# Allegro board PSU-Hirose-6Layers-Sep1.brd (continued)
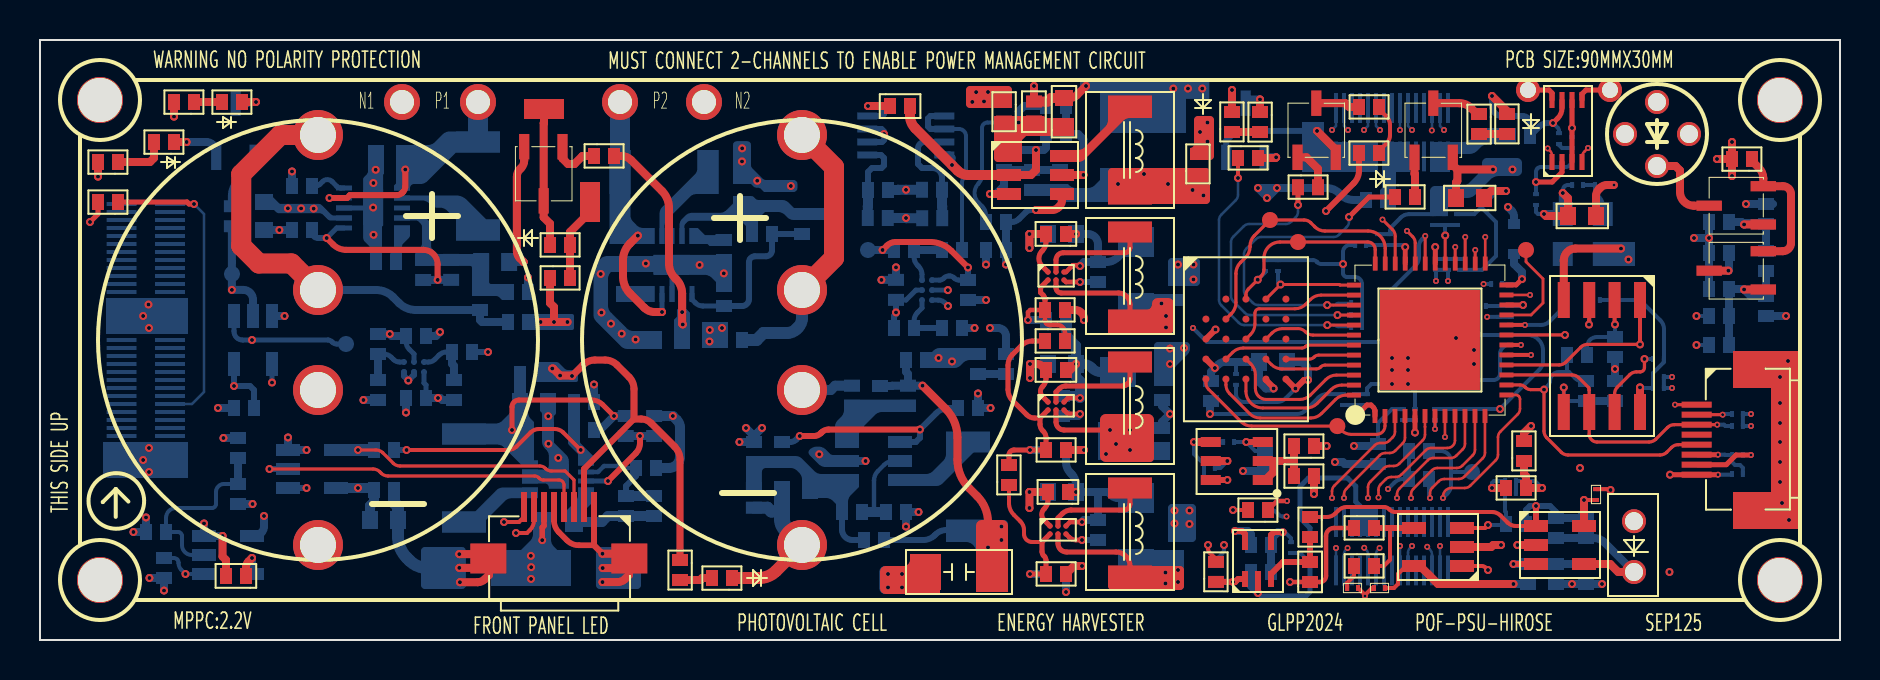
[diagram p0: board, top side]
## Nets
GND: C1.2 C2.1 C3.2 C4.2 C5.2 C6.1 C7.2 C7.4 C8.2 C8.4 C9.1 C10.1 C11.2 C12.1 C14.2 C15.2 C16.1 C17.1 C18.2 C19.2 C20.2 C21.2 C23.2 C24.2 C25.2 C26.2 C27.2 C28.2 C29.2 C31.2 C32.2 C33.2 C34.2 C35.2 C36.2 C37.2 C38.2 C40.2 C41.2 C42.1 C43.2 C44.2 C45.2 C46.1 C47.1 C48.2 C49.2 C50.2 C51.2 C52.2 C53.2 C54.1 C56.2 C57.2 C58.2 C59.2 C60.2 C61.2 C62.1 C63.1 C64.1 C65.2 C66.2 C67.2 C68.2 C69.1 C71.2 C74.2 C75.1 C76.1 C77.2 C78.2 C79.2 C80.1 D4.1(CATHODE) D7.1(CATHODE) D9.1(CATHODE) J1.7 J1.9 J1.10 J2.1 J2.5 J2.9 J2.10 J3.19 J3.21 J3.23 J3.25 J3.27 J3.29 J4.61 J4.62 J4.63 J4.64 J4.65 J4.66 J4.67 J4.68 J4.69 J4.70 J5.5 J5.7 J5.9 J5.11 PD1.2 Q1.2(EMITTER) Q2.2(EMITTER) Q3.2(EMITTER) Q6.2(EMITTER) Q7.2(EMITTER) R8.2 R22.1 R31.1 R32.1 R34.2 R36.2 R37.1 R38.1 R39.2 R48.2 R50.1 R57.1 R61.2 R62.2 R66.2 R71.1 R89.1 R91.1 R92.1 R93.1 R98.1 R101.2 R103.1 R109.1 R112.1 R114.1 R117.1 R120.1 R124.2 R126.1 R127.1 R128.1 TP8.1(TP) TP11.1(TP) U1.2 U2.2 U3.A3 U4.C1 U4.E5(VSS#E5) U5.49 U6.4 U7.A3 U8.4 U9.A3 U10.2(V-) U11.2(V-) U12.2 U13.4(V-) U14.3 U14.11 U15.3 U15.11 U16.A2 U16.B2 U17.3 U18.A2 U18.B2 U19.2 U20.3 U21.2 U21.3 U21.9 U22.3 Y1.2
P1V2: L9.1 R123.2
P1V8: L7.1 R100.2
P1V8_RX: C11.1 C12.2 C64.2 R19.2 R122.2 R129.2 U8.5(VOUT) U10.5 U11.5 U12.5
P1V8ADJ_PRE: C19.1 C20.1 C22.2 L1.2 R10.1 R33.1
P1V20: C4.1 FB2.2 FB5.2 L9.2 R43.2
P1V80: C5.1 C18.1 C25.1 C51.1 C53.1 FB1.2 FB3.1 FB4.2 J1.8 L7.2 L8.2 R21.1 R35.2 R54.2 R55.2 R64.2 R65.1 R69.1 R73.1 R81.2 R94.2 R95.1 R97.2 R110.1 U1.3 U1.6 U6.8 Y1.4(VCC)
P2V8: C17.2 D2.2 D3.2 D5.2 D8.2 R59.2 R131.1 U1.7(VCCB)
P2V9ADJ: LD1.1 R10.2 R17.1 R45.1 R52.1 R58.1
P5V0: C6.2 C9.2 C10.2 C29.1 C50.1 C68.1 C77.1 C78.1 J2.6 J4.25 J4.26 J4.27 J4.28 J4.29 J4.30 J4.31 J4.32 J4.33 J4.34 L12.2 R1.2 R3.1 R9.2 R15.2 R18.2 R29.2 R102.2 R107.1 U3.A1 U7.A1 U9.A1
VCCIO_0: C31.1 C32.1 FB1.1 U5.33
VCCIO_2: C56.1 C57.1 FB4.1 U5.1
1ST_EN: J2.3 R104.2 U20.4(Y)
BIO-1: J5.28 R105.2 TP15.1(TP) U5.13
BIO-2: J5.1
BIO-3: J5.26 R111.2 U5.12
BIO-4: J5.18 U5.10
BIO-5: J5.20 U5.11
BIO-6: J5.12 R28.2 U5.9
BIO-7: J5.10 R125.2 U5.6
BIO-8: J5.4 R116.1 U5.4
BIO-9: J5.2 R23.1 U5.3
CHG_FULL: R85.2 R90.1 TP14.1(TP) U17.1 U18.C2
DONE2_LED: R95.2 U5.7
DPU_PWR_EN: J4.1 J4.51 R13.1
EIO-1: J3.28 U5.32
EIO-2: J3.6 U1.4 U5.25
EIO-4: J3.14 U5.27
EIO-5: J3.30 R13.2 U5.34
EIO-6: J3.12 R70.1 U5.26
EIO-7: J3.20 U5.28
EIO-8: J3.22 R68.2 U5.31
EXT_24MHZ: U5.20 Y1.3
FF2_SCK: J1.3 R97.1 U5.15 U6.6
FF2_SS: J1.2 R94.1 U5.16 U6.1
FL2_MISO: R78.1 R80.1 U6.2
FL2_MOSI: R86.2 R87.2 U6.5
FL2_RST: R81.1 U6.7
FL2_WP: R64.1 U6.3(W\P\(IO2))
FP2_RST: C63.2 J1.6 R110.2 U5.8
FP2_SI: J1.1 R78.2 R86.1 U5.17
FP2_SO: J1.5 R80.2 R87.1 U5.14
IOB_23B: TP16.1(TP) U5.21
IOT_37A: J3.4 U1.1 U5.23
LD_PWR_EN: R67.2 U5.18
LDO22-1: C15.1 C26.1 C60.1 C67.1 C71.1 U14.2 U17.5 U20.5 U22.5
LDO22-2: C1.1 C42.2 C47.2 C48.1 R6.2 R60.2 R74.1 R76.1 R90.2 U13.8 U15.2 U16.B1 U18.B1
LED0: J2.8 R12.1 R65.2 U5.39
LED1: J2.7 R11.1 R69.2 U5.40
LED2: R7.1 R73.2 R108.2 U5.41
LOCK_EN: J2.4 U17.4(Y) U20.2
NC.A2: U4.A2
NC.A5: U4.A5
NC.B1: U4.B1
NC.B3: U4.B3
NC.B4: U4.B4
NC.B5: U4.B5
NC.C5: U4.C5
P5033: R82.2 R83.1 R130.1
P5033_PRE: C14.1 C55.2 C79.1 L11.2 R82.1 R88.1 R121.1
PSU_UART_TX: R77.1 U5.19
RAM_ADQ0: U4.D3 U5.46
RAM_ADQ1: U4.D2 U5.43
RAM_ADQ2: U4.C4 U5.42
RAM_ADQ3: U4.D4 U5.45
RAM_ADQ4: U4.D5 U5.44
RAM_ADQ5: U4.E3 U5.47
RAM_ADQ6: U4.E2 U5.48
RAM_ADQ7: TP7.1(TP) U4.E1 U5.2
RAM_CE: R55.1 TP6.1(TP) U4.A3 U5.36
RAM_CLK: TP5.1(TP) U4.B2 U5.35
RAM_DQS: U4.C3 U5.38
RAM_RST: R54.1 U4.A4 U5.37
RFU: U4.C2
RX_PWR_EN: R101.1 R108.1 U8.3
SIG_ALIVE: R40.2 TP13.1(TP) U17.2 U22.4(Y)
SPI_VCCIO1: C44.1 C45.1 FB3.2 U5.22
UV_SHDN: R49.2 R60.1 TP12.1(TP) U16.C2 U20.1
VCAP: J2.2 R14.1 R27.1 R41.2 R42.2 R72.1 R75.2 R84.2
VCAP1: C35.1 C39.1 C43.1 R56.1 R63.2 U14.9(VOUT)
VCAP2: C23.1 C24.1 C30.1 R46.1 R47.1 U15.9(VOUT)
N478267: C21.1 L6.1 TP10.1(TP) U14.4 U14.6
N478271: L6.2 U14.7
N478345: C39.2 R48.1 R56.2 U14.1
N478369: R36.1 U14.5
N478385: C36.1 U14.10
N479121: C7.1 C7.3 R63.1 R72.2
N485107: C34.1 L5.1 TP9.1(TP) U15.4 U15.6
N485115: L5.2 U15.7
N485373: C30.2 R47.2 R62.1 U15.1
N485445: R61.1 U15.5
N485483: C33.1 U15.10
N486717: C8.1 C8.3 R46.2 R75.1
N813698: C58.1 C62.2 L10.1 R84.1 R96.2 R99.2 U21.4
N813706: L10.2 U21.1
N813852: C70.1 L12.1 R115.2 U21.8(VOUT)
N813884: R96.1 R98.2 U21.7
N813992: R23.2 R91.2 R99.1 R104.1 R116.2 U21.5
N814000: C70.2 R109.2 R115.1 U21.6
N821854: R37.2 R41.1 U13.3
N821870: R51.2 U13.1 U13.2
N822032: R38.2 R42.1 U13.5
N822044: R79.2 U13.6 U13.7
N823149: C46.2 R74.2 U16.A1(VCC)
N823315: R49.1 R51.1 U16.C1
N824564: C54.2 R76.2 U18.A1(VCC)
N824724: R79.1 R85.1 U18.C1
N834143: D7.2 R27.2
N943794: C72.2 C73.1 R25.1 R119.1 U10.1
N943802: C73.2 PD1.1 R119.2 U10.4
N950397: C65.1 R19.1 R22.2 R113.2
N953867: C13.1 R24.1 U11.1
N953891: R24.2 R26.2 U11.4
N953940: C16.2 R26.1
N957540: C13.2 R25.2 U12.3
N961187: C76.2 R122.1 R126.2 U12.4
N1037075: D4.2 R9.1
N1120293: LD1.2 Q4.3
N1120309: Q5.1 R53.1 R58.2 R66.1 R70.2 R77.2
N1120313: Q5.3 R52.2
N1120345: Q4.1 R39.1 R45.2 R53.2
N1120473: Q4.2(E) Q5.2(E) R8.1
N1125946: C61.1 FB5.1 U5.5
N1126010: C37.1 C38.1 FB2.1 U5.30
N1126482: C27.1 C28.1 R43.1 U5.29
N1126654: C41.1 D8.1(K) U5.24(VPP_2V5)
N1128601: C49.1 C52.1 L8.1 U4.D1 U4.E4
N1140972: C75.2 R102.1 R114.2 U22.2
N1147788: D2.1(CATHODE) R4.2
N1147792: D5.1(CATHODE) R2.2
N1147796: D3.1(CATHODE) R5.2
N1147848: Q6.3 R4.1
N1147852: Q1.3 R2.1
N1147856: Q2.3 R5.1
N1147930: Q6.1 R7.2
N1147938: Q1.1 R11.2
N1147946: Q2.1 R12.2
N1161020: R105.1 R111.1 R124.1 U22.1
N1296793: C80.2 R127.2 R129.1 U10.3
N1325635: C72.1 R113.1 U11.3
N1346126: Q7.1 R40.1
N1347937: D1.1(CATHODE) Q7.3
N1347941: D1.2 R1.1
N1493508: R15.1 R16.2 R71.2 U3.B1
N1495908: L2.1 U3.A2
N1495915: C40.1 L2.2 R59.1 U3.B2
N1496954: R57.2 U3.B3(RSEL)
N1504028: L3.1 U7.A2
N1504040: C59.1 L3.2 R100.1 U7.B2
N1504216: R16.1 R18.1 R20.2 R103.2 U7.B1
N1504224: R92.2 U7.B3(RSEL)
N1511461: L4.1 U9.A2
N1511469: C74.1 L4.2 R123.1 U9.B2
N1511693: R20.1 R29.1 R128.2 U9.B1
N1511701: R120.2 U9.B3(RSEL)
N1521862: L11.1 U19.6
N1521910: C66.1 C69.2 R106.2 R107.2 R118.2 R121.2 U19.1(VIN)
N1521958: C55.1 R88.2 R89.2 U19.3
N1522062: R93.2 R106.1 U19.4
N1522150: R117.2 R118.1 U19.5
N1524626: D9.2 R83.2
N1528387: L1.1 U2.6
N1528431: C2.2 C3.1 R3.2 R30.2 R44.2 U2.1(VIN)
N1528491: C22.1 R32.2 R33.2 U2.3
N1528623: R44.1 R50.2 R67.1 R68.1 U2.4
N1528651: R30.1 R31.2 U2.5
N1533062: R28.1 R125.1 U12.1(VOUT)
N1559286: R17.2 R21.2 U8.1 U8.2
N1560195: R112.2 U8.6
N1632215: D6.2 R14.2 TP4.1(TP)
N1632252: D6.1(CATHODE) Q3.3 TP3.1(TP)
N1633088: Q3.1 R6.1
N1642129: R34.1 R35.1 Y1.1
N3312581: TP1.1(TP) U1.8
N3312603: TP2.1(TP) U1.5
N3334944: J3.11 J3.13 J3.15 J3.17 R130.2
N3335081: J3.1 J3.3 J3.5 R131.2

Pads without a net: J1 4; J3 2 7 8 9 10 16 18 24 26; J4 2 3 4 5 6 7 8 9 10 11 12 13 14 15 16 17 18 19 20 21 22 23 24 35 36 37 38 39 40 41 42 43 44 45 46 47 48 49 50 52 53 54 55 56 57 58 59 60; J5 3 6 8 13 14 15 16 17 19 21 22 23 24 25 27 29 30; LD1 3 4; U14 8; U15 8

## Via types
v1: diameter 0.4, hole 0.2, TOP to BOTTOM, 326 vias
v2: diameter 0.3, hole 0.15, TOP to BOTTOM, 59 vias

## Routing (per net, layer and track width the routed paths; a pad name or vN(x,y) marks a point on that pad's centre or on a via; arc(x,y) is an arc through that point)
GND: length 243.1
  TOP w0.127: 66.25,2.25 v2(66.25,2.2)
  TOP w0.2: C11.2 78.48,7.54 v1(78.53,7.5) ; C12.1 66.6,2.6 66.25,2.25 C16.1
  TOP w0.23: U3.A3 51.3,18.4 51.64,18.74 51.96,18.74 v1(52,18.7) ; U9.A3 51.5,5.9 v1(52.1,5.9) ; v1(52,12.1) 51.4,12.1 U7.A3
  TOP w0.25: U1.2 76.1,23.39 75.61,22.9 v1(74.8,22.9) ; J1.7 84.32,8.77 84.8,9.25 v2(85.55,9.25)
  TOP w0.28: J2.5 25.7,5.98 arc(25.76,5.66) 25.95,5.39 26.35,4.98 arc(26.62,4.8) 26.94,4.74 27.7,4.74
  TOP w0.3: v1(63.4,13) 63.2,13 v1(62.77,12.57) U4.E5 ; U4.C1 v1(58.78,15.52) ; U12.2 v1(60.9,2.35) ; J2.1 27.7,4.74 v1(28.12,4.31)
  TOP w0.4: 29.45,3.6 29.45,4.06 J2.9 29.23,4.31 v1(28.12,4.31) ; 29.45,3.6 29.45,3.25 29.25,3.05 arc(29.08,2.94) 28.89,2.9 v1(28.12,2.9) ; 29.45,3.6 v1(28.13,3.6) ; R8.2 v1(84.6,24.9) ; R8.2 v1(84.6,23.2) ; R8.2 v1(83.85,24.05) ; 22.45,3.61 v1(20.97,3.61) ; 22.45,3.61 22.45,4.05 J2.10 22.2,4.29 v1(20.97,4.29) ; 22.45,3.61 22.45,3.25 22.24,3.04 arc(22.07,2.93) 21.88,2.89 v1(21,2.89) ; v1(24.18,18.9) 23.99,19.1 arc(23.88,19.25) 23.84,19.44 23.84,23.17 arc(23.88,23.37) 24,23.54 24.06,23.6 arc(24.17,23.77) 24.21,23.97 24.21,24.67 ; v1(49.8,24.5) 49.8,23.5 49.55,23.25 U2.2 ; Q2.2 70.64,23.75 70.87,23.53 ; C15.2 9.3,4 9.13,4.17 v1(9.13,5.2) ; C6.1 v1(51.8,20.3) ; v1(51.8,13.8) 51.5,13.5 C9.1 ; D4.1 v1(7.33,24.9) ; R22.1 v1(72.6,7.6) ; U6.4 76.19,18.99 arc(76.36,19.4) 76.77,19.57 v1(79.05,19.57) ; U8.4 v1(57.7,9.9) ; 70.87,23.53 70.87,22.95 70.8,22.88 C4.2 ; 70.87,23.53 v1(72.65,23.53) ; v1(73.05,4.75) 72.66,4.75 72.56,4.65 U11.2 ; C5.2 77.8,22.19 arc(77.84,22.38) 77.95,22.55 78,22.6 arc(78.17,22.71) 78.36,22.75 v2(78.7,22.75) ; v1(52.3,27.7) 51.85,27.25 arc(51.68,27.14) 51.49,27.1 C3.2 ; C10.1 v1(51.8,7.4) ; v1(63.85,25.45) 64.79,24.51 Q1.2 ; C2.1 v1(49.7,27.7) ; U10.2 v1(73.87,4.75)
  TOP w0.5: C3.2 50.56,27.1 50.38,26.93 C2.1 ; C1.2 43.5,26.22 arc(43.57,25.88) 43.77,25.58 v1(45.6,23.75) 45.88,23.46 arc(46.12,23.31) 46.4,23.25 U2.2
  TOP w0.6: D7.1 35.95,3.1 arc(36.41,3.19) 36.8,3.45 C8.4
  GND w0.3: v1(73.05,4.75) 71.75,4.75 69.6,2.6 66.65,2.6 v2(66.25,2.2)
  GND w0.4: v1(78.1,2.8) 78.1,3.29 arc(78.02,3.67) 77.81,3.99 77.05,4.75 76.41,4.75 ; PD1.2 77.56,5.94 76.39,4.77 ; 76.41,4.75 76.39,4.77 ; 76.41,4.75 76.6,4.56 v1(76.6,2.8) ; 76.39,4.77 76.37,4.75 v1(73.87,4.75) v1(73.05,4.75)
  GND w1: PD1.2 79.7,7.1
  GND2 w0.3: v2(66.25,2.2) 66.65,2.6 69.5,2.6 71.65,4.75 v1(73.05,4.75)
  GND2 w0.4: v1(78.1,2.8) 78.1,4.04 arc(77.89,4.54) 77.39,4.75 76.6,4.75 ; PD1.2 78.77,5.94 78.76,5.95 arc(78.28,6.15) 77.8,5.95 76.6,4.75 ; 76.6,4.75 v1(73.87,4.75) v1(73.05,4.75) ; 76.6,4.75 v1(76.6,2.8)
  GND2 w1: PD1.2 79.7,7.2
  BOTTOM w0.2: R112.1 C64.1 58.2,8.8 57.7,9.3 v1(57.7,9.9) R101.2 ; C65.2 72.7,7.95 72.6,7.85 v1(72.6,7.6) ; v2(70.4,17.95) C37.2 C38.2 v2(69.8,17.95) ; v2(81.6,13.15) C51.2 C53.2 v2(81.6,12.6) ; 63.5,3.86 63.01,4.35 C76.1 ; C32.2 C31.2 67.5,20.46 arc(67.52,20.58) 67.59,20.67 68.03,21.12 arc(68.23,21.25) 68.46,21.29 C28.2 C27.2 ; v1(67.6,12.8) 66.57,12.8 66.35,12.58 C56.2 C57.2 ; v2(72.36,16.16) C45.2 C44.2 ; C63.1 v2(85.55,9.25) ; C25.2 v1(74.8,22.9) 74.8,23.41 arc(74.82,23.49) 74.86,23.56 74.89,23.59 arc(74.96,23.63) 75.04,23.65 76.28,23.65 arc(76.39,23.67) 76.49,23.74 76.6,23.85 C18.2 76.59,24.6 76.1,24.6 75.95,24.75 C17.1 ; C52.2 59.8,12.3 arc(59.92,12.02) 60.2,11.9 61.85,11.9 arc(62.08,11.95) 62.27,12.08 v1(62.77,12.57) ; R34.2 v2(78.7,22.75) ; v1(68.4,12.8) 68.75,12.45 C61.2 ; C41.2 v2(72.18,17.8)
  BOTTOM w0.25: J5.7 66,6.7 65.79,6.91 65.79,7.69 65.37,8.1 63.43,8.1 63,7.67 63,6.1 63.5,5.6 63.5,2.4 63.3,2.2 61.05,2.2 v1(60.9,2.35) ; U16.A2 44.92,16.99 arc(45.09,16.96) 45.24,16.86 v1(45.4,16.7) ; U16.B2 v1(45.39,17.49)
  BOTTOM w0.3: U18.B2 18.7,13.26 v1(18.41,12.97) 18.4,12.99 18.4,13 18.2,13.2 U18.A2 ; v1(63.85,25.45) 59.8,25.45 59.31,24.96 59.31,24.13
  BOTTOM w0.35: U13.4 45.47,24.25 45.6,24.12 v1(45.6,23.75)
  BOTTOM w0.4: v1(47.5,15.6) 47.9,15.6 arc(48.18,15.48) 48.3,15.2 D9.1 ; v1(47.53,11.6) R93.1 v1(46.9,12.33) ; v1(8.2,5.83) U22.3 v1(9.13,5.2) ; C40.2 54.65,19.9 53.89,19.14 arc(53.62,18.96) 53.31,18.9 R57.1 ; R57.1 52.9,19.79 arc(52.75,20.15) 52.39,20.3 v1(51.8,20.3) ; R57.1 52.2,18.9 v1(52,18.7) ; R36.2 v1(12.6,23.43) ; v1(13.33,9.5) U20.3 v1(12.4,10.13) ; R103.1 51.3,8.89 arc(51.36,8.6) 51.52,8.36 51.59,8.29 arc(51.75,8.05) 51.8,7.78 v1(51.8,7.4) 52.85,7.4 ; C46.1 v1(46.73,15.6) ; v1(63.4,13) 63.4,13.45 arc(63.27,13.77) 62.95,13.9 C49.2 ; C43.2 v1(24.4,18.13) ; v1(78.1,2.8) R127.1 v1(76.6,2.8) C80.1 ; v1(42.8,18.63) C42.1 v1(42.07,18.01) ; C26.2 v1(11.97,20.5) R48.2 ; 52.85,7.4 52.9,7.35 R120.1 52.2,6 v1(52.1,5.9) ; 52.85,7.4 53.41,7.4 53.59,7.22 arc(53.72,7.13) 53.88,7.1 C74.2 ; R128.1 v1(51.3,2.4) ; v1(7.33,24.9) 8.32,24.9 arc(8.49,24.87) 8.63,24.77 8.68,24.72 arc(8.78,24.58) 8.81,24.41 Q7.2 ; v1(5.47,3.1) R124.2 v1(6.2,2.47) ; R32.1 v1(49.8,24.5) 50.19,24.5 50.3,24.61 R31.1 ; v1(43.93,6.4) R117.1 v1(43.3,5.67) ; R50.1 v1(47.3,18.77) ; R126.1 60.55,2.7 v1(60.9,2.35) ; C35.2 v1(24.18,18.9) ; v1(5.3,6.13) C75.1 v1(4.67,5.4) ; v1(20,15.4) 19.8,15.2 C47.1 ; R66.2 v1(87.3,16.2) ; C60.2 v1(8.9,11.6) ; U17.3 v1(12.23,16.2) ; 86.65,21.8 R39.2 v1(85.3,21.8) ; U19.2 v1(41.28,8.95) ; R91.1 v1(27.7,12.78) ; R114.1 v1(10.63,6.8) ; C54.1 v1(16.17,12)
  BOTTOM w0.5: C78.2 19.38,3.6 ; R89.1 39.76,12.71 39.54,12.5 C8.2 ; C59.2 53.03,13.4 arc(52.82,13.44) 52.64,13.56 52.56,13.64 arc(52.38,13.76) 52.17,13.8 v1(51.8,13.8) ; R109.1 31.44,8.6 arc(31.84,8.76) 32,9.16 32,10.63 arc(31.96,10.83) 31.85,10.99 v1(31.64,11.2) R98.1 ; v1(51.8,13.8) 51.8,13.16 52,12.96 v1(52,12.1) 51.9,12.2 R92.1 ; v1(51.8,13.8) 51.8,14.44 51.8,14.44 51.8,14.72 51.51,15 arc(51.36,15.24) 51.3,15.52 R71.1 ; R37.1 v1(43.3,22.51) 42.9,22.51 42.89,22.5 R38.1
  BOTTOM w0.6: 37.1,6.43 36.56,6.43 36.37,6.61 C69.1 ; C67.2 17.7,6.87 17.9,6.67 C71.2 17.9,5.17 arc(18.01,4.6) 18.34,4.11 18.48,3.97 arc(18.89,3.7) 19.38,3.6
  BOTTOM w0.8: C8.4 37.3,5.55 arc(37.15,5.77) 37.1,6.04 C66.2
  vias: v1(5.16,9) v1(5.45,9.6) v1(5.45,8.4) v1(16.67,22.85) v1(16.66,21.62) v1(16.68,20.26) v1(16.78,23.51) v1(25.41,11.19) v1(25.42,9.81) v1(25.91,9.1) v1(28.03,18.3) v1(28.07,16.37) v1(28.55,15.81) v1(29.09,15.31) v1(29.78,15.03) v1(30.29,18.82) v1(32.98,18.75) v1(34.19,18.33) v1(35.11,24.58) v1(35.1,23.93) v1(35.86,22.96) v1(37.54,22.7) v1(38.96,9.29) v1(42.4,3.3) v1(42.4,2.63) v1(43.1,3.3) v1(43.1,2.63) v1(56.66,27.57) v1(57.4,27.57) v1(58.11,27.57) v1(67.6,14.1) v1(67.6,13.5) v1(68.4,14.1) v1(68.4,13.5) v1(70.8,15.1) v1(71.7,14.5) v1(71.7,13.8) v1(73.62,23.53) v1(77,8.6) v1(79.42,19.03) v1(81.47,3.4) v1(87,13.15) v1(87,11.85) v1(87,10.85) v1(87,9.9) v1(87,8.9) v1(87,7.9) v1(87.1,6.85) v1(87.4,13.95) v1(87.45,6)
P1V2: length 18
  VCC w0.3: v1(56.73,6.47) v1(56.73,5.83) ; v1(56.73,6.47) v1(57.47,6.47) ; v1(56.73,6.47) v1(57.47,5.8) ; v1(56.73,5.83) v1(57.47,5.8) ; v1(56.73,5.83) v1(57.47,6.47) ; v1(57.47,5.8) v1(57.47,6.47)
  VCC w0.35: v1(57.47,6.47) 57.47,8.57 59.6,10.7 61.2,10.7 63,8.9 v1(64.75,8.9)
  BOTTOM w0.4: L9.1 65.24,8.8 65.14,8.9 v1(64.75,8.9)
P1V8: length 1.7
  BOTTOM w0.4: R100.2 56.1,10.9 v1(56.5,11.3) 56.1,11.7 L7.1
P1V8_RX: length 53.5
  TOP w0.2: C12.2 67.7,2.6 67.9,2.8 67.9,3.3 68.3,3.7 U11.5 ; C11.1 v1(77.2,7)
  TOP w0.3: v1(59.75,5.45) 60.1,5.45 60.25,5.3 U12.5
  TOP w0.4: v1(73.67,2.8) 69.9,2.8 69,3.7 U11.5 ; U8.5 v1(59.37,8.95) ; R19.2 74.2,10.35 v1(74.55,10.7) ; U10.5 v1(77.2,7)
  VCC w0.4: v1(74.55,10.7) 74.55,9.09 ; 74.55,9.09 75.11,9.09 v1(77.2,7) 77.2,5.6 75.9,4.3 ; 74.55,9.09 73.7,8.24 73.7,6.5 75.9,4.3 ; 60.65,5.45 61.4,6.2 61.4,8.5 60.73,9.18 59.59,9.18 v1(59.37,8.95) ; 60.65,5.45 v1(59.75,5.45) ; 60.65,5.45 60.65,5.05 61.7,4 67.1,4 68.5,2.6 72.95,2.6 73.15,2.8 v1(73.67,2.8) R129.2 75.9,4.3
  BOTTOM w0.2: v1(59.37,8.95) 59.02,8.6 C64.2
  BOTTOM w0.4: R129.2 v1(73.67,2.8) ; v1(59.75,5.45) 60.39,5.45 60.55,5.29 R122.2
P1V8ADJ_PRE:
  vias: v1(53.9,22.8) v1(55.2,23.3) v1(56.4,22.8) v1(57.63,22.5) v1(58.17,22.23)
P1V20: length 41.1
  TOP w0.4: C4.1 72.55,22.45 v1(73.3,22.45)
  VCC w0.4: 69.7,11.75 68.28,11.75 66.23,9.7 v1(65.7,9.7) ; 69.7,11.75 69.7,15.6 71.2,17.1 71.2,18 72,18.8 73.2,18.8 ; 69.7,11.75 71.25,11.75 73.2,13.7 73.2,18.8 ; 73.2,18.8 73.2,19.35 74.25,20.4 74.25,22.05 73.85,22.45 v1(73.3,22.45)
  BOTTOM w0.2: v1(73.3,22.45) 72.87,22.45 72.06,21.64 ; FB5.2 67.59,11.54 66.9,10.85 L9.2 ; FB2.2 72.11,18.51 72.8,19.2 72.8,20.9 72.06,21.64 ; 72.06,21.64 71.72,21.29 R43.2
  BOTTOM w0.4: v1(65.7,9.7) 66.8,9.7 L9.2
P1V80: length 139.8
  TOP w0.25: v1(81.5,8.27) J1.8 v2(83.9,8.27) ; U1.3 v1(76.6,25.6) U1.6
  TOP w0.4: v1(76.14,22.35) 76.4,22.09 C5.1 75.3,21.2 v1(75.2,21.3) ; v1(63.7,7.3) R21.1 ; U6.8 v1(80,12.63)
  SIG1 w0.4: v1(58.5,11.3) 63.03,11.3 arc(63.37,11.37) 63.66,11.56 63.89,11.79 arc(64.18,11.98) 64.52,12.05 66.53,12.05 arc(66.83,11.99) 67.08,11.82 67.12,11.78 arc(67.37,11.61) 67.67,11.55 v1(73,11.55)
  VCC w0.4: v1(63.7,7.3) 63.7,6.2 64.1,5.8 70.75,5.8 71.15,6.2 71.15,8.3 73,10.15 v1(73,11.55) 75.1,13.65 76.75,13.65 77.77,12.63 v1(80,12.63) U6.8 81.5,9.9 v1(81.5,8.27) v2(83.9,8.27) 84.42,8.27 84.65,8.5 84.65,9.8 v2(85.55,10.7) v2(85.55,11.3) 85.55,12.3 84.3,13.55 84.3,16.8 79.75,21.35 77.7,21.35 76.7,22.35 v1(76.14,22.35) ; v1(58.5,11.3) 58.5,11.8 v1(56.5,13.8) v1(56.5,14.57) 57.17,14.57 v1(57.2,14.6) 61.65,14.6 63.15,16.1 63.15,17.8 64.15,18.8 v1(65.15,18.8) ; v1(75.2,21.3) 75.7,21.3 76.14,21.74 v1(76.14,22.35) ; v1(76.14,22.35) 76.14,22.74 76.15,22.75 76.15,23.6 76.6,24.05 v1(76.6,25.6)
  BOTTOM w0.2: FB4.2 64.34,12.29 arc(64.11,12.25) 63.92,12.12 63.28,11.48 arc(63.08,11.35) 62.85,11.3 v1(58.5,11.3) ; v1(80,12.63) 80.03,12.6 C53.1 C51.1 80.65,13.35 81.19,13.89 R81.2 81.2,14.06 81.2,15.55 arc(81.15,15.78) 81.02,15.98 80.18,16.82 arc(79.98,16.95) 79.75,17 R64.2 ; v2(85.55,10.7) R97.2 R94.2 v2(85.55,11.3) ; v1(65.15,18.8) 65.15,18.35 arc(65.21,18.21) 65.35,18.15 65.75,18.15 arc(66,18.05) 66.1,17.8 R65.1 R69.1 R73.1 ; v1(65.15,18.8) 64.07,18.8 arc(63.96,18.82) 63.87,18.88 63.84,18.91 arc(63.75,18.97) 63.64,18.99 R54.2 R55.2 ; v1(65.15,18.8) 65.15,19.4 arc(65.25,19.65) 65.5,19.75 FB1.2 ; v1(76.14,22.35) 76.15,22.36 76.15,22.51 arc(76.17,22.59) 76.21,22.66 76.24,22.69 arc(76.31,22.73) 76.39,22.75 R35.2 ; R95.1 v1(73,11.55) 74.97,13.52 arc(75.1,13.72) 75.15,13.95 75.15,14.48 arc(74.93,15.03) 74.38,15.25 72.15,15.25 arc(71.87,15.37) 71.75,15.65 FB3.1 ; R110.1 84.57,8.27 v2(83.9,8.27) ; C25.1 74.8,21.4 74.9,21.3 v1(75.2,21.3) ; C18.1 v1(76.6,25.6)
  BOTTOM w0.4: v1(76.14,22.35) Y1.4 v1(75.2,21.3) ; v1(58.5,11.3) 58.5,11.9 L8.2
P2V8: length 51.8
  TOP w0.25: v1(75.65,25.85) 75.89,26.09 arc(76.05,26.32) 76.1,26.59 U1.7
  TOP w0.3: D5.2 65.95,23.47 arc(65.88,23.13) 65.69,22.84 v1(64.3,21.45)
  TOP w0.4: v1(72.6,27.2) 73.35,26.45 D3.2 ; D2.2 v1(59.6,27.5)
  VCC w0.4: 59.95,25.5 59.95,24.8 59.35,24.2 arc(59.09,23.81) 59,23.35 59,20.6 arc(58.91,20.14) 58.65,19.75 v1(57.67,18.77) ; 59.95,25.5 59.75,25.7 arc(59.64,25.87) 59.6,26.06 v1(59.6,27.5) ; 59.95,25.5 60.15,25.3 62.35,25.3 63.36,24.29 arc(63.61,23.91) 63.7,23.46 63.7,22.9 63.75,22.9 64.3,22.35 ; 72.85,26.15 72.6,26.4 v1(72.6,27.2) ; 72.85,26.15 73.15,25.85 v1(75.65,25.85) ; 72.85,26.15 71.1,24.4 arc(70.84,24.01) 70.75,23.55 70.75,22.85 ; 70.75,22.85 70.75,22.35 71.82,21.28 arc(72.42,21.03) 73.03,21.28 v1(73.4,21.65) ; 70.75,22.85 70.7,22.8 65.03,22.8 arc(64.77,22.75) 64.55,22.6 64.3,22.35 ; 64.3,22.35 v1(64.3,21.45) ; v1(57.67,18.77) v1(57.67,18.03) 57.2,18.5 57.18,18.5 v1(56.9,18.77) v1(57.67,18.77)
  BOTTOM w0.2: C17.2 75.95,25.47 arc(75.93,25.54) 75.89,25.61 v1(75.65,25.85)
  BOTTOM w0.3: v1(75.65,25.85) 75.37,25.85 arc(75.17,25.81) 74.99,25.69 R131.1 74.5,25.84 arc(74.39,26.09) 74.14,26.2 73.1,26.2 arc(72.75,26.35) 72.6,26.7 v1(72.6,27.2)
  BOTTOM w0.4: v1(73.4,21.65) 73.58,21.47 arc(73.67,21.34) 73.7,21.18 D8.2
P2V9ADJ: length 75.5
  TOP w0.4: R17.1 v1(64.33,9.7)
  SIG1 w0.3: v1(58.37,25.87) 61.85,25.87 arc(62.19,25.94) 62.49,26.14 63.04,26.69 arc(63.33,26.88) 63.67,26.95 70.98,26.95 arc(71.32,26.88) 71.61,26.69 71.79,26.51 arc(72.08,26.32) 72.42,26.25 74.53,26.25 arc(74.87,26.32) 75.16,26.51 75.65,27 arc(76.25,27.25) 76.85,27 77.19,26.66 arc(77.48,26.47) 77.82,26.4 79.15,26.4 arc(79.45,26.46) 79.7,26.63 79.74,26.67 arc(80,26.84) 80.3,26.9 LD1.1 80.85,25.72 arc(80.92,25.38) 81.11,25.09 83.19,23.01 arc(83.38,22.72) 83.45,22.38 v1(83.45,20.1) v1(82.7,20.1)
  SIG1 w0.4: v1(58.37,24.92) 58,25.29 v1(58,25.4) 58,25.5 v1(58.37,25.87)
  VCC w0.3: v1(58.37,25.87) 58.37,25.77 v1(58,25.4) 58,25.29 v1(58.37,24.92) 54.32,24.92 53,23.6 53,21.25 57.25,17 58.7,17 61.9,20.2 65.55,20.2 66.75,19 66.75,16.05 64.33,13.63 v1(64.33,9.7)
  BOTTOM w0.4: R45.1 v1(83.45,20.1) ; v1(83.45,20.1) R52.1 R58.1 ; v1(83.45,20.1) v1(82.7,20.1)
P5V0: length 132
  TOP w0.127: 51.2,9.5 R18.2
  TOP w0.25: C10.2 50.4,7.01 arc(50.35,6.77) 50.22,6.57 50.2,6.55 arc(50.09,6.27) 50.2,6 U9.A1 ; U7.A1 50.13,12.17 arc(50.02,12.42) 50.13,12.67 50.14,12.69 arc(50.26,12.86) 50.3,13.07 C9.2 ; U3.A1 50.1,18.7 arc(49.95,19.07) 50.1,19.45 50.12,19.47 arc(50.25,19.67) 50.3,19.91 C6.2
  TOP w0.28: v1(25.11,4.99) 25.11,5.62 25.2,5.71 J2.6
  TOP w0.4: R1.2 v1(6.7,26.17) ; C9.2 50.12,13.68 arc(49.99,13.77) 49.83,13.8 v1(49.5,13.8) v1(49.5,13.1) ; v1(52.1,3.7) 51.7,3.7 R29.2 ; C10.2 v1(49.47,7.4) v1(49.47,6.6) ; R9.2 v1(2.9,23.17) ; R18.2 v1(52.2,9.5) ; v1(49.47,19.6) v1(49.47,20.3) C6.2 ; R15.2 51.75,16.5 arc(52.07,16.37) 52.2,16.05 v1(52.2,16)
  SIG1 w0.4: v1(49.47,7.4) v1(49.47,6.6) 49.47,5.03 arc(49.63,4.65) 50,4.5 50.8,4.5 arc(51.26,4.41) 51.65,4.15 v1(52.1,3.7)
  VCC w0.3: 51.2,16 51.2,16.6 49.47,18.33 v1(49.47,19.6) v1(49.47,20.3) 48.6,21.17 48.6,24.05 47.2,25.45 v1(47.2,26.93) ; 51.2,16 49.5,14.3 v1(49.5,13.8) v1(49.5,13.1) 49.5,11.65 51.65,9.5 v1(52.2,9.5) 52.2,9.1 51.8,8.7 50.25,8.7 49.47,7.92 ; 51.2,16 v1(52.2,16) ; v1(47.4,27.4) 47.39,27.39 ; 47.39,27.39 47.2,27.2 v1(47.2,26.93) ; 47.39,27.39 v1(46.81,27.39) 46.81,27.09 v1(46.62,26.9) 47.18,26.9 v1(47.2,26.93) ; 49.47,7.92 35.73,7.92 ; 49.47,7.92 v1(49.47,7.4) v1(49.47,6.6) ; 35.73,7.92 34.45,6.65 28,6.65 26.34,4.99 v1(25.11,4.99) ; 35.73,7.92 34.97,8.68 v1(34.97,9.9) 35.3,10.23 v1(35.3,10.6) v1(36.1,10.6)
  VCC w0.4: 5.42,23.15 5.4,23.17 v1(2.9,23.17) ; 5.42,23.15 v1(5.42,16.77) 5.42,16.47 v1(5.16,16.2) 5.16,15.89 v1(5.45,15.6) 5.45,12.55 7.9,10.1 v1(9.17,10.1) 11.1,10.1 12.55,8.65 17.15,8.65 18,7.8 23.95,7.8 25.11,6.64 v1(25.11,4.99) 25.11,4.36 24.95,4.2 24.55,4.2 v1(24.54,4.21) 24.54,3.66 v1(24.56,3.64) 24.56,3.06 v1(24.55,3.05) ; 5.42,23.15 5.42,24.9 v1(6.7,26.17)
  BOTTOM w0.3: v1(49.47,7.4) v1(49.47,6.6)
  BOTTOM w0.4: R102.2 v1(9.17,10.1) ; 35.7,10.2 R107.1 v1(34.97,9.9) ; 35.7,10.2 v1(35.3,10.6) ; 35.7,10.2 v1(36.1,10.6) ; C50.1 v1(49.5,13.8) ; C29.1 v1(49.47,20.3) v1(49.47,19.6) ; v1(49.47,7.4) C10.2
VCCIO_0: length 2.8
  TOP w0.24: U5.33 v1(68.26,19.65)
  BOTTOM w0.2: v1(68.26,19.65) 68.16,19.75 C31.1 C32.1 FB1.1
VCCIO_2: length 3.4
  TOP w0.25: 66.75,11.2 66.75,11.44 arc(66.73,11.54) 66.67,11.63 66.55,11.75 66.35,11.75 v1(65.8,11.2)
  BOTTOM w0.2: C57.1 65.75,11.25 v1(65.8,11.2) ; C57.1 C56.1 ; C57.1 FB4.1
1ST_EN: length 14.6
  TOP w0.16: v1(15.9,9.5) 16.8,9.5 arc(16.98,9.46) 17.14,9.36 17.66,8.84 arc(17.82,8.74) 18,8.7 24.99,8.7 arc(25.14,8.67) 25.26,8.59 25.29,8.56 arc(25.41,8.48) 25.56,8.45 26.25,8.45 26.7,8 J2.3
  BOTTOM w0.6: R104.2 v1(15.9,9.5) U20.4
BIO-1: length 15.9
  TOP w0.127: U5.13 73.8,12.25 arc(73.87,12.24) 73.93,12.2 73.95,12.18 arc(73.99,12.12) 74,12.05 74,11.56 arc(73.97,11.41) 73.89,11.29 73.01,10.41 arc(72.93,10.29) 72.9,10.14 72.9,9.26 arc(72.87,9.11) 72.79,8.99 71.51,7.71 arc(71.39,7.63) 71.24,7.6 70.58,7.6 arc(70.27,7.48) 70.15,7.17 v2(70.15,7.1)
  SIG1 w0.127: v2(70.15,7.1) 70.15,5.28 arc(70.13,5.2) 70.08,5.12 70.07,5.11 arc(70.02,5.03) 70,4.95 v2(70,4.7)
  BOTTOM w0.127: v2(70,4.7) J5.28
  BOTTOM w0.2: 70.55,8.4 70.55,7.75 arc(70.5,7.52) 70.37,7.32 v2(70.15,7.1) ; 70.55,8.4 70.55,8.95 arc(70.4,9.3) 70.05,9.45 R105.2 ; 70.55,8.4 TP15.1
BIO-3: length 10.5
  TOP w0.127: v2(69.5,7.1) 69.5,7.34 arc(69.53,7.49) 69.61,7.61 69.94,7.94 arc(70.06,8.02) 70.21,8.05 70.94,8.05 arc(71.09,8.08) 71.21,8.16 72.14,9.09 arc(72.22,9.21) 72.25,9.36 72.25,11.2
  SIG1 w0.127: v2(69.5,7.1) 69.5,5.23 arc(69.48,5.15) 69.44,5.08 69.42,5.06 arc(69.38,4.99) 69.36,4.91 v2(69.36,4.66)
  BOTTOM w0.127: J5.26 69.6,4.26 arc(69.57,4.41) 69.49,4.53 v2(69.36,4.66)
  BOTTOM w0.2: v2(69.5,7.1) 69.45,7.15 R111.2
BIO-4: length 9.8
  TOP w0.127: 71.25,11.2 71.25,9.81 arc(71.22,9.66) 71.14,9.54 70.81,9.21 arc(70.69,9.13) 70.54,9.1 69.66,9.1 arc(69.51,9.07) 69.39,8.99 67.96,7.56 arc(67.88,7.44) 67.85,7.29 v2(67.85,7.1)
  SIG1 w0.127: v2(67.85,7.1) 67.85,6.84 arc(67.87,6.76) 67.92,6.68 67.93,6.67 arc(67.98,6.59) 68,6.51 v2(68,4.7)
  BOTTOM w0.127: J5.18 v2(68,4.7)
BIO-5: length 9.8
  TOP w0.127: v2(68.55,7.1) 68.55,7.28 arc(68.58,7.43) 68.66,7.55 69.6,8.49 arc(69.72,8.57) 69.87,8.6 70.84,8.6 arc(70.99,8.63) 71.11,8.71 71.64,9.24 arc(71.72,9.36) 71.75,9.51 71.75,11.2
  SIG1 w0.127: v2(68.55,7.1) 68.55,6.76 68.6,6.71 v2(68.6,4.7)
  BOTTOM w0.127: v2(68.6,4.7) 68.49,4.59 arc(68.42,4.49) 68.4,4.37 J5.20
BIO-6: length 21.8
  TOP w0.127: 70.75,11.2 70.75,9.98 arc(70.64,9.71) 70.37,9.6 69.56,9.6 arc(69.41,9.57) 69.29,9.49 68.06,8.26 arc(67.94,8.18) 67.79,8.15 67.56,8.15 arc(67.41,8.12) 67.29,8.04 67.04,7.79 arc(66.95,7.66) 66.92,7.52 v2(66.92,7.12)
  TOP w0.2: v1(58.4,4.75) 58.4,4.58 arc(58.42,4.46) 58.49,4.36 58.8,4.05 R28.2
  SIG1 w0.127: v2(66.92,7.12) 66.92,6.94 arc(66.95,6.8) 67.04,6.67 67.19,6.52 arc(67.27,6.4) 67.3,6.25 67.3,5.08 arc(67.27,4.93) 67.19,4.81 v2(66.98,4.6) 66.98,4.04 arc(66.95,3.89) 66.87,3.77 66.51,3.41 arc(66.39,3.33) 66.24,3.3 63.26,3.3 arc(63.2,3.31) 63.16,3.34 63.14,3.36 arc(63.1,3.39) 63.04,3.4 60.15,3.4 arc(59.32,3.57) 58.61,4.04 58.51,4.14 arc(58.43,4.26) 58.4,4.41 v1(58.4,4.75)
  BOTTOM w0.127: J5.12 66.8,4.31 arc(66.82,4.41) 66.88,4.5 v2(66.98,4.6)
BIO-7: length 18.8
  TOP w0.127: 69.25,11.2 69.25,10.66 69.25,10.66 69.25,10.26 arc(69.22,10.11) 69.14,9.99 67.96,8.81 arc(67.84,8.73) 67.69,8.7 67.46,8.7 arc(67.31,8.67) 67.19,8.59 66.51,7.91 arc(66.43,7.79) 66.4,7.64 v2(66.4,7.1)
  SIG1 w0.127: v1(59.2,4.75) 59.2,4.53 arc(59.41,4.01) 59.93,3.8 63.24,3.8 arc(63.3,3.79) 63.34,3.76 63.36,3.74 arc(63.4,3.71) 63.46,3.7 65.4,3.7 arc(65.68,3.75) 65.91,3.91 66.1,4.1 arc(66.18,4.22) 66.21,4.37 v2(66.21,4.61) 66.39,4.79 arc(66.47,4.91) 66.5,5.06 66.5,6.04 arc(66.47,6.19) 66.39,6.31 66.19,6.51 arc(66.11,6.7) 66.19,6.89 v2(66.4,7.1)
  BOTTOM w0.127: J5.10 66.4,4.3 arc(66.38,4.41) 66.31,4.51 v2(66.21,4.61)
  BOTTOM w0.2: v1(59.2,4.75) 59.2,4.55 arc(59.17,4.41) 59.09,4.29 58.8,4 R125.2
BIO-8: length 15.7
  TOP w0.127: v2(65.2,7.1) 65.2,7.28 arc(65.23,7.43) 65.31,7.55 65.42,7.66 arc(65.44,7.69) 65.46,7.71 66.99,9.24 arc(67.11,9.32) 67.26,9.35 67.49,9.35 arc(67.64,9.38) 67.76,9.46 68.14,9.84 arc(68.22,9.96) 68.25,10.11 68.25,11.2
  SIG1 w0.127: v2(65.2,7.1) 65.51,6.79 arc(65.59,6.67) 65.62,6.52 65.62,5 arc(65.59,4.85) 65.51,4.73 v2(65.38,4.6) 65.38,4.26 arc(65.33,4.15) 65.22,4.1 64.5,4.1 arc(64.29,4.19) 64.2,4.4 64.2,5.7 arc(64.14,5.84) 64,5.9 62.76,5.9 arc(62.61,5.93) 62.49,6.01 v2(62.33,6.18)
  BOTTOM w0.127: J5.4 65.2,4.31 arc(65.22,4.41) 65.28,4.5 v2(65.38,4.6)
  BOTTOM w0.2: R116.1 61.57,6.5 arc(61.69,6.48) 61.79,6.41 61.93,6.27 arc(62.03,6.2) 62.16,6.18 v2(62.33,6.18)
BIO-9: length 13.1
  TOP w0.127: 67.75,11.2 67.75,10.41 arc(67.72,10.26) 67.64,10.14 67.46,9.96 arc(67.34,9.88) 67.19,9.85 67.01,9.85 arc(66.86,9.82) 66.74,9.74 64.71,7.71 arc(64.63,7.59) 64.6,7.44 v2(64.6,7.1)
  TOP w0.22: R23.1 61.85,6.95 v2(62.35,6.95)
  SIG1 w0.127: v2(62.35,6.95) 62.69,6.95 arc(62.84,6.92) 62.96,6.84 63.09,6.71 arc(63.21,6.63) 63.36,6.6 63.94,6.6 arc(64.09,6.63) 64.21,6.71 v2(64.6,7.1) 64.79,6.91 arc(64.87,6.79) 64.9,6.64 64.9,5.1 arc(64.89,5.05) 64.86,5 64.84,4.98 arc(64.81,4.94) 64.8,4.88 v2(64.8,4.6)
  BOTTOM w0.127: J5.2 v2(64.8,4.6)
CHG_FULL: length 20.6
  SIG1 w0.22: v1(10.6,15) 15.38,15 arc(15.63,14.95) 15.84,14.81 16.37,14.28 arc(16.58,14.14) 16.83,14.09 18.94,14.09 arc(19.19,14.04) 19.4,13.9 19.71,13.59 arc(19.85,13.38) 19.9,13.13 v1(19.9,12.1)
  BOTTOM w0.25: R90.1 19.3,12.75 19.2,12.85 U18.C2 ; TP14.1 14.83,14.8 arc(14.72,14.82) 14.63,14.88 14.59,14.92 arc(14.5,14.98) 14.39,15 v1(10.6,15) 10.12,15 arc(9.82,15.12) 9.7,15.43 U17.1
  BOTTOM w0.4: R85.2 20.11,12 20.01,12.1 v1(19.9,12.1) R90.1
DONE2_LED: length 1.1
  TOP w0.127: 69.75,11.2 v2(69.75,10.55)
  BOTTOM w0.2: v2(69.75,10.55) 69.75,10.55 R95.2
DPU_PWR_EN: length 16.6
  TOP w0.25: R13.1 7.35,21.9 7.45,21.8 v1(7.7,21.8)
  BOTTOM w0.127: J4.51 7.6,11.8 8.2,12.4 8.2,21.3 v1(7.7,21.8) J4.1
EIO-1: length 9.2
  TOP w0.15: v2(68.35,20.45) 68.63,20.17 arc(68.73,20.02) 68.76,19.85 U5.32
  SIG1 w0.127: v2(68.35,20.45) 68.35,20.74 arc(68.32,20.89) 68.24,21.01 65.86,23.39 arc(65.78,23.51) 65.75,23.66 65.75,24.99 arc(65.72,25.14) 65.64,25.26 v2(65.4,25.5)
  BOTTOM w0.127: J3.28 65.2,25.7 v2(65.4,25.5)
